# Allegro board C112P01-T2-ZDS-A03.brd (continued)
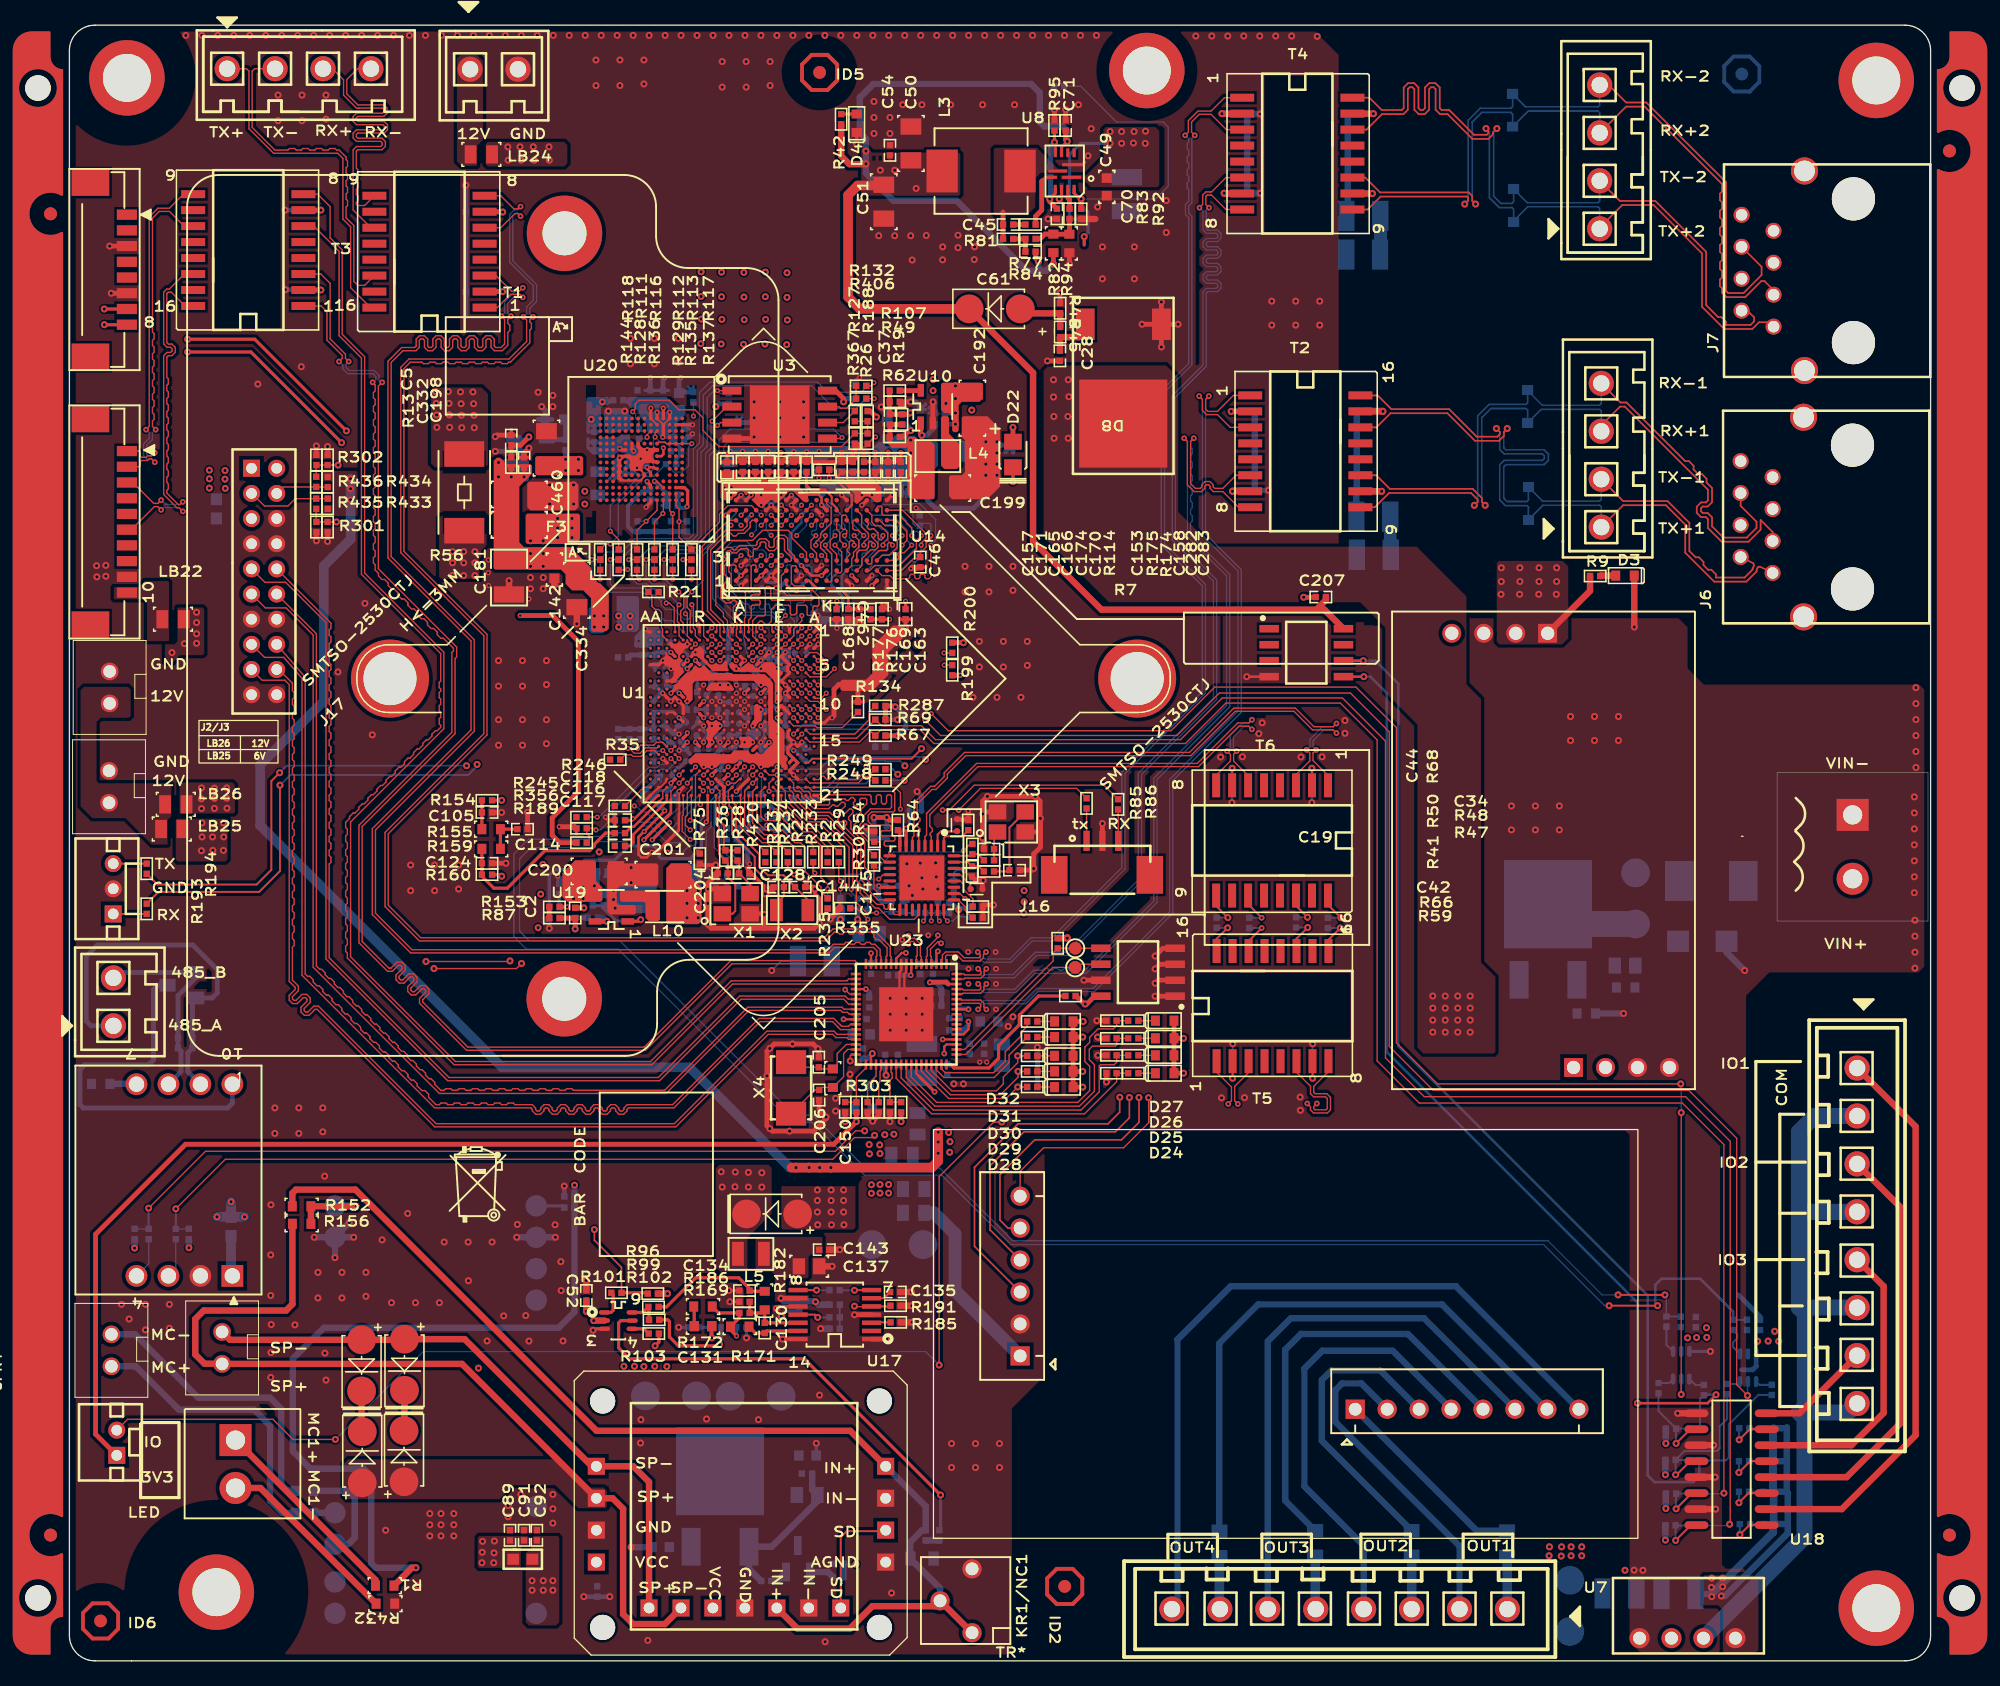
[diagram p0: board, top side]
## Routing (per net, layer and track width the routed paths; a pad name or vN(x,y) marks a point on that pad's centre or on a via; arc(x,y) is an arc through that point) (continued)
LINE_OUT-IPC: length 120.4
  TOP w0.254: v1(9.4,104.06) 14.43,104.06 v1(21.64,96.85) ; R160.2 34.24,62.51 v1(34.37,62.38) ; J12.8 v1(2.78,106.23) ; R103.1 46.86,25.35 v1(46.56,25.04)
  ART03 w0.254: v1(21.64,96.85) 23.21,95.29 23.21,86.78 19.75,83.33 19.75,75.07 22.97,71.85 26.99,71.85 33.6,65.23 33.6,63.14 v1(34.37,62.38) 34.26,62.38 30.2,58.31 30.2,46.51 38.1,38.61 38.1,28.17 41.22,25.04 v1(46.56,25.04) ; v1(2.78,106.23) 5.22,106.23 7.39,104.06 v1(9.4,104.06)
LINE_OUT_IN-PA: length 89.3
  TOP w0.508: R152.1 17.72,37.18 18.01,37.46 22.73,37.46 41.91,18.29 62.07,18.29 U13.4 ; KR1/NC1.1 KR1/NC1.2 68.78,4.34 63.83,4.34 62.05,2.57 57.87,2.57 J18.5
  BOTTOM w0.508: U13.4 68.07,12.29 C103.1 67.79,10.39 66.84,9.44 R158.1 69.22,5.77 KR1/NC1.2
LSADC_CH0/MUTE: length 84.6
  TOP w0.102: U17.5 63.75,28.16 62.41,28.16 62.41,28.2 v1(62.4,28.2) ; U1.P19 v3(51.07,69.78)
  TOP w0.152: R191.1 65.21,28.18 U17.5
  ART03 w0.127: v3(47.55,64.29) 47.1,63.84 46.62,63.84 45.26,62.48 39.83,62.48 33.65,56.31 33.65,46.51 41.25,38.91 41.25,32.28 42.34,31.19 51.13,31.19 51.54,31.6 51.54,33.3 52.04,33.81 61.58,33.81 61.77,33.62 61.77,28.79 62.41,28.16 62.41,28.2 v1(62.4,28.2)
  BOTTOM w0.102: v3(47.55,64.29) 47.65,64.19 48.67,64.19 49.3,64.82 49.63,64.82 49.86,65.05 49.86,66.5 50.74,67.37 50.74,69.35 51.07,69.69 v3(51.07,69.78)
LSADC_CH1: length 64.6
  TOP w0.102: U1.P18 50.42,70.43 v3(50.42,70.43)
  TOP w0.127: R101.2 43.89,31.28 41.73,33.44 v1(41.73,34.29)
  TOP w0.254: R99.1 45.91,29.26 R101.2
  ART03 w0.127: v1(41.73,34.29) 41.73,40.36 34.32,47.78 34.32,56.36 40.06,62.1 43.28,62.1 44.02,61.37 45.29,61.37 47.96,64.03 47.96,64.8 47.26,65.49 47.26,66 45.29,67.97 v3(44.91,67.97)
  BOTTOM w0.102: v3(50.42,70.43) 49.67,70.43 49.5,70.27 49.5,68.91 47.61,67.02 46.32,67.02 45.85,67.49 45.54,67.49 45.06,67.97 v3(44.91,67.97)
MDC: length 14.4
  TOP w0.102: U24.6 80.2,55.38 MDC1.1 78.17,55.14 71.25,48.21 U23.52
MDCK/BOOT_SEL0: length 9.8
  TOP w0.102: U6.22 v3(68.52,58.84) ; R355.1 62.59,59.84 v3(63.47,58.95)
  ART03 w0.102: v3(68.52,58.84) 67.84,59.51 64.92,59.51 64.36,58.95 v3(63.47,58.95)
  BOTTOM w0.102: R33.2 R206.2 v3(63.47,58.95)
MDI0+: length 47.6
  TOP w0.102: 67.52,64.93 67.51,64.94 67.51,64.94 ; 67.52,64.93 67.52,65.45 67.39,65.57 67.39,65.75 67.61,65.97 67.61,66.15 67.39,66.37 67.39,66.56 67.61,66.78 67.61,66.97 67.39,67.19 67.39,68.11 68.57,69.28 68.88,69.28 69.79,70.19 69.79,70.5 71.26,71.97 89.14,71.97 92.67,75.49 97.35,75.49 98.82,74.02 100.47,74.02 v2(100.73,73.77) ; 67.52,64.93 U6.5 ; v2(99.11,72.43) 98.86,72.18 98.86,71.59 100.05,70.39 T6.1
  BOTTOM w0.102: v2(99.11,72.43) 98.87,72.68 98.87,73.17 99.72,74.02 100.47,74.02 v2(100.73,73.77)
MDI0-: length 48
  TOP w0.102: T6.3 97.51,70.46 98.6,71.55 98.6,72.18 v2(98.35,72.43) ; 67.02,64.93 67.02,65.47 67.14,65.59 67.14,68.21 68.46,69.53 68.78,69.53 69.54,70.29 69.54,70.61 71.15,72.22 89.04,72.22 92.56,75.75 97.45,75.75 98.93,74.27 100.47,74.27 v2(100.73,74.53) ; 67.02,64.93 U6.6 ; 67.02,64.93 67.01,64.94 67.01,64.94
  BOTTOM w0.102: v2(100.73,74.53) 100.47,74.27 99.62,74.27 98.61,73.27 98.61,72.7 v2(98.35,72.43)
MDI1+: length 37.8
  TOP w0.102: T6.6 93.7,70.39 92.55,71.54 92.55,72.09 v2(92.79,72.33) ; U6.3 68.52,65.54 68.43,65.63 68.43,65.78 68.61,65.96 68.61,66.16 68.39,66.37 68.39,67.27 72.22,71.09 89.76,71.09 92.97,74.31 93.75,74.31 v2(94,74.06)
  BOTTOM w0.102: v2(94,74.06) 93.75,74.31 93.38,74.31 92.54,73.46 92.54,72.59 v2(92.79,72.33)
MDI1-: length 38.5
  TOP w0.102: v2(94,74.82) 93.75,74.57 92.87,74.57 89.65,71.35 72.11,71.35 68.14,67.38 68.14,65.66 68.01,65.53 68.01,64.81 U6.4 ; v2(92.03,72.33) 92.29,72.07 92.29,71.54 91.16,70.4 T6.8
  BOTTOM w0.102: v2(94,74.82) 93.75,74.57 93.28,74.57 92.28,73.57 92.28,72.59 v2(92.03,72.33)
MDIO: length 15.2
  TOP w0.102: U23.53 71.17,48.61 78.21,55.65 78.21,56.29 R296.2 78.57,56.65 MDIO1.1 U24.5
MDIO_621761: length 21
  TOP w0.102: U6.23 69.02,58.97 v3(69.16,58.83) ; v3(61.29,61.37) 61.67,61.75 61.67,64.57 59.8,66.44 58.58,66.44 56.59,68.42 56.59,68.81 U1.E21
  ART03 w0.102: v3(61.29,61.37) 62.38,60.27 67.72,60.27 v3(69.16,58.83)
  BOTTOM w0.102: R51.2 v3(61.29,61.37)
PA_SD: length 9.4
  TOP w0.152: J18.7 61.32,9.83 61.8,10.31 64.81,10.31 U13.2
PRX+1: length 55.6
  TOP w0.129: J6.3 135.4,89.75 134.44,90.7 134.44,89.94 133.48,88.98 131.34,88.98 130.25,90.07 130.25,90.78 130.1,90.93 129.71,90.93 129.36,91.27 129.36,91.76 129.71,92.1 130.1,92.1 130.25,92.26 130.25,93.12 123.65,99.72 123.27,99.72 121.77,98.23 J23.3 ; v1(112.55,91.87) 112.28,92.14 112.28,92.46 111.56,93.18 104.97,93.18 103.89,94.26 T2.11
  BOTTOM w0.129: v1(112.55,91.87) 112.28,92.14 112.28,98.85 113,99.57 115.8,99.57 115.93,99.44 D15.1 117,99.5 121.65,99.5 121.77,99.37 J23.3
PRX+2: length 59.4
  TOP w0.129: v1(111.78,115.82) 111.52,116.09 111.52,116.47 111.24,116.75 104.19,116.75 103.01,117.93 T4.11 ; J7.3 135.47,108.98 ; 135.47,108.98 135.47,109.08 ; 135.47,108.98 134.75,109.7 134.5,109.7 133.22,108.42 131.72,108.42 131.37,108.78 131.37,109.14 131.2,109.3 131.2,109.82 131.37,109.98 131.37,110.5 131.2,110.67 131.2,111.19 131.37,111.35 131.37,111.87 131.2,112.03 131.2,112.55 131.37,112.72 131.37,113.23 131.2,113.4 131.2,113.92 131.37,114.08 131.37,114.6 131.2,114.77 131.2,115.28 131.37,115.45 131.37,115.97 131.2,116.13 131.2,116.65 131.37,116.81 131.37,117.42 125.22,123.57 123.75,123.57 121.66,121.48 J25.3
  BOTTOM w0.129: v1(111.78,115.82) 111.52,116.09 111.52,122.34 112.29,123.12 114.59,123.12 114.72,122.99 D14.1 115.97,123.22 121.52,123.22 121.65,123.09 J25.3
PRX+4: length 28.1
  TOP w0.102: T1.11 23.96,113.94 22.56,115.35 22.56,120.13 22.82,120.4 24.75,120.4 24.87,120.52 24.87,120.69 24.75,120.81 22.82,120.81 22.56,121.08 22.56,121.46 22.82,121.73 24.93,121.73 25.03,121.83 25.03,122.03 24.93,122.13 22.82,122.13 22.56,122.4 22.56,122.78 22.82,123.05 24.89,123.05 24.99,123.15 24.99,123.35 24.89,123.46 23.03,123.46 22.82,123.46 21.79,124.49 21.79,125.7 20.91,126.59 J26.3
PRX+5: length 27.4
  TOP w0.102: T3.11 9.12,114.07 7.95,115.24 7.14,115.24 6.6,114.7 6.6,105.65 6.73,105.52 6.73,105.12 6.6,104.99 6.6,104.58 6.73,104.45 6.73,104.05 6.6,103.92 6.6,103.51 6.73,103.39 6.73,102.98 6.6,102.85 6.6,102.44 6.73,102.32 6.73,101.91 6.6,101.78 6.6,101.37 6.73,101.25 6.73,100.84 6.6,100.71 6.6,100.3 6.73,100.18 6.73,99.77 6.6,99.64 6.6,99.24 6.73,99.11 6.73,98.7 6.6,98.57 6.6,98.15 v2(6.86,97.89) ; v2(6.79,96.06) 6.53,95.81 6.22,95.81 6.1,95.69 5.72,95.69 5.62,95.79 5.62,96.08 5.52,96.19 J13.1
  BOTTOM w0.102: v2(6.79,96.06) 6.53,95.81 6.25,95.81 6.15,95.91 6.15,96.64 6.6,97.1 6.6,97.64 v2(6.86,97.89)
PRX-1: length 55.6
  TOP w0.129: v1(111.68,91.87) 111.95,92.14 111.95,92.32 111.42,92.85 104.9,92.85 103.77,91.72 T2.9 ; J6.6 132.86,91.83 134.11,90.57 134.11,90.08 133.34,89.31 131.48,89.31 130.58,90.2 130.58,90.91 130.24,91.26 129.84,91.26 129.69,91.41 129.69,91.62 129.84,91.78 130.24,91.78 130.58,92.12 130.58,93.25 130.14,93.69 130.14,93.99 129.78,94.35 129.48,94.35 129.11,94.72 129.11,95.02 128.75,95.38 128.45,95.38 123.78,100.05 123.29,100.05 J23.4
  BOTTOM w0.129: 115.93,100.99 117.09,99.83 121.65,99.83 121.77,99.96 J23.4 ; 115.93,100.99 D15.2 ; 115.93,100.99 115.93,100.03 115.8,99.9 112.86,99.9 111.95,98.98 111.95,92.14 v1(111.68,91.87)
PRX-2: length 59.3
  TOP w0.129: J25.4 122.36,125.29 123.75,123.9 125.36,123.9 131.7,117.56 131.7,108.91 131.86,108.75 133.08,108.75 134.52,110.19 134.52,110.84 J7.6 ; v1(110.92,115.82) 111.15,116.06 111.15,116.07 111.19,116.11 111.19,116.34 111.1,116.42 104.23,116.42 103.2,115.39 T4.9
  BOTTOM w0.129: v1(110.92,115.82) 111.19,116.09 111.19,122.48 112.15,123.44 114.59,123.44 114.72,123.57 D14.2 115.76,123.55 121.52,123.55 121.65,123.68 J25.4
PRX-4: length 27.7
  TOP w0.102: T1.9 23.47,115.71 22.91,115.71 22.81,115.81 22.81,115.96 22.92,116.07 22.92,116.48 22.81,116.59 22.81,117 22.92,117.11 22.92,117.52 22.81,117.64 22.81,118.04 22.92,118.16 22.92,118.57 22.81,118.68 22.81,120.03 22.93,120.15 24.85,120.15 25.12,120.41 25.12,120.79 24.85,121.06 22.93,121.06 22.81,121.18 22.81,121.35 22.93,121.47 25.04,121.47 25.29,121.72 25.29,122.14 25.04,122.39 22.93,122.39 22.81,122.51 22.81,122.67 22.93,122.79 25,122.79 25.25,123.04 25.25,123.46 25,123.71 22.93,123.71 22.05,124.59 22.05,125.72 22.91,126.59 J26.4
PRX-5: length 27.5
  TOP w0.102: v2(6.79,95.3) 6.53,95.55 6.33,95.55 6.21,95.43 5.72,95.43 5.62,95.33 5.62,95.04 5.52,94.94 J13.2 ; v2(6.1,97.89) 6.35,98.15 6.35,114.81 7.04,115.49 7.95,115.49 9.07,116.61 T3.9
  BOTTOM w0.102: v2(6.79,95.3) 6.53,95.55 6.15,95.55 5.89,95.81 5.89,96.75 6.35,97.21 6.35,97.64 v2(6.1,97.89)
PTX+1: length 55.7
  TOP w0.129: J6.1 134.39,87 134.21,86.94 134.13,86.78 134.13,86.63 133.31,85.8 130.75,85.8 128.45,88.1 128.45,90.34 126.91,91.88 123.52,91.88 J23.1 ; T2.16 104,100.61 105.09,99.52 109.68,99.52 111.87,97.33 113.51,97.33 113.71,97.53 113.71,97.71 v1(113.44,97.98)
  BOTTOM w0.129: D17.1 115.99,90.72 ; 115.99,90.72 115.99,91.72 115.86,91.85 114.15,91.85 113.71,92.29 113.71,95.1 114.05,95.44 117.1,95.44 117.25,95.59 117.25,95.81 117.1,95.96 114.05,95.96 113.71,96.3 113.71,97.71 v1(113.44,97.98) ; 115.99,90.72 117.14,91.88 121.65,91.88 121.77,91.75 J23.1
PTX+2: length 59.4
  TOP w0.129: T4.16 103.34,124.28 104.32,123.3 105.92,123.3 106.07,123.46 106.07,125.09 106.41,125.44 106.9,125.44 107.24,125.09 107.24,123.46 107.39,123.3 107.61,123.3 107.76,123.46 107.76,125.09 108.1,125.44 108.59,125.44 108.93,125.09 108.93,123.46 109.09,123.3 109.69,123.3 111.66,121.33 112.67,121.33 112.8,121.46 112.8,121.65 v1(112.61,121.83) ; J7.1 135.12,106.43 134.32,106.43 133.78,105.89 131.55,105.89 129.78,107.66 129.78,111.9 125.93,115.75 123.44,115.75 121.65,113.95 J25.1
  BOTTOM w0.129: D16.1 114.81,114.5 ; 114.81,114.5 114.81,115.42 114.68,115.55 113.66,115.55 112.88,116.33 112.88,121.56 v1(112.61,121.83) ; 114.81,114.5 115.91,115.6 121.52,115.6 121.65,115.47 J25.1
PTX+4: length 27.9
  TOP w0.102: T1.16 23.94,107.59 22.36,109.18 22.36,114.01 21.74,114.63 21.74,119.45 21.33,119.86 16.23,119.86 14.27,121.82 14.27,126.39 14.08,126.59 J26.1
PTX+5: length 27.4
  TOP w0.102: J13.3 5.04,93.69 6.71,92.02 7.04,92.02 v2(7.29,92.28) ; v2(9.02,92.15) 8.8,91.93 8.66,91.93 7.75,92.84 7.75,93.06 7.86,93.18 7.86,93.58 7.75,93.7 7.75,94.11 7.86,94.22 7.86,94.63 7.75,94.74 7.75,95.15 7.86,95.26 7.86,95.67 7.75,95.79 7.75,96.19 7.86,96.31 7.86,96.72 7.75,96.83 7.75,97.24 7.86,97.35 7.86,97.76 7.75,97.87 7.75,98.28 7.86,98.4 7.86,98.8 7.75,98.92 7.75,99.33 7.86,99.44 7.86,99.85 7.75,99.96 7.75,100.37 7.86,100.48 7.86,100.89 7.75,101.01 7.75,101.41 7.86,101.53 7.86,101.94 7.75,102.05 7.75,103.66 7.87,103.77 8.15,103.77 8.42,104.04 8.42,104.42 8.15,104.69 7.87,104.69 7.75,104.81 7.75,108.71 7.85,108.82 8.1,108.82 9.19,107.72 T3.16
  BOTTOM w0.102: v2(9.02,92.15) 8.82,91.95 7.62,91.95 v2(7.29,92.28)
PTX-1: length 55.6
  TOP w0.129: J23.2 123.52,92.21 127.05,92.21 128.78,90.47 128.78,88.24 129.28,87.74 129.53,87.74 129.9,87.37 129.9,87.12 130.27,86.75 130.52,86.75 130.89,86.39 130.89,86.13 133.17,86.13 133.8,86.76 133.8,86.85 133.92,87.09 133.86,87.26 J6.2 ; v1(114.3,97.98) 114.03,97.71 114.03,97.39 113.64,97 111.73,97 109.55,99.19 105.02,99.19 103.9,98.07 T2.14
  BOTTOM w0.129: v1(114.3,97.98) 114.03,97.71 114.03,96.44 114.18,96.28 117.23,96.28 117.58,95.94 117.58,95.46 117.23,95.11 114.18,95.11 114.03,94.96 114.03,92.43 114.29,92.18 115.86,92.18 115.99,92.3 D17.2 117.1,92.21 121.65,92.21 121.77,92.34 J23.2
PTX-2: length 59.3
  TOP w0.129: J25.2 123.24,116.08 126.07,116.08 130.11,112.04 130.11,107.79 131.07,106.83 131.32,106.83 131.68,106.47 131.68,106.22 133.65,106.22 133.93,106.51 133.92,106.52 133.92,106.82 133.39,107.35 J7.2 ; v1(113.48,121.83) 113.16,121.51 113.16,121.36 112.8,121.01 111.53,121.01 109.55,122.98 108.95,122.98 108.61,123.32 108.61,124.96 108.45,125.11 108.24,125.11 108.09,124.96 108.09,123.32 107.74,122.98 107.26,122.98 106.91,123.32 106.91,124.96 106.76,125.11 106.55,125.11 106.4,124.96 106.4,123.32 106.05,122.98 104.35,122.98 103.11,121.74 T4.14
  BOTTOM w0.129: J25.2 121.65,116.06 121.52,115.93 115.9,115.93 D16.2 114.81,116 114.68,115.87 113.8,115.87 113.21,116.46 113.21,121.56 v1(113.48,121.83)
PTX-4: length 27.8
  TOP w0.102: T1.14 23.47,109.36 22.94,109.36 22.61,109.69 22.61,114.12 22,114.73 22,115.58 22.11,115.7 22.11,116.11 22,116.22 22,116.63 22.11,116.74 22.11,117.15 22,117.26 22,117.67 22.11,117.79 22.11,118.19 22,118.31 22,118.72 22.11,118.83 22.11,119.24 22,119.35 22,119.56 21.44,120.12 21.24,120.12 21.11,120.24 20.7,120.24 20.58,120.12 20.17,120.12 20.04,120.24 19.64,120.24 19.51,120.12 19.1,120.12 18.97,120.24 18.57,120.24 18.44,120.12 18.03,120.12 17.9,120.24 17.5,120.24 17.37,120.12 16.34,120.12 14.53,121.92 14.53,126.39 14.72,126.59 J26.2
PTX-5: length 27.5
  TOP w0.102: v2(7.29,91.52) 7.04,91.77 6.76,91.77 4.92,89.94 J13.6 ; v2(9.02,91.39) 8.74,91.68 8.55,91.68 7.49,92.74 7.49,103.76 7.76,104.03 8.05,104.03 8.17,104.15 8.17,104.32 8.05,104.44 7.76,104.44 7.49,104.7 7.49,108.82 7.74,109.07 7.95,109.07 9.14,110.26 T3.14
  BOTTOM w0.102: v2(9.02,91.39) 8.72,91.69 7.47,91.69 v2(7.29,91.52)
PTX-6: length 84.3
  TOP w0.102: R436.2 19.62,95.06 R302.1 R272.2 v1(21.36,95.07) ; v1(35.03,55.65) 34.98,55.6 v1(28.35,55.6) ; v2(61.67,53.37) 62.03,53.01 U23.22
  ART03 w0.102: v2(61.67,53.37) 56.18,53.37 52.17,57.38 36.75,57.38 v1(35.03,55.65) ; v1(28.35,55.6) 19.13,64.82 19.13,83.72 22.18,86.77 22.18,90.83 21.36,91.64 v1(21.36,95.07)
PTX-7: length 85.4
  TOP w0.102: R435.2 19.62,90.55 R301.1 R270.2 v1(21.23,90.55) ; U23.34 62.17,48.21 62.07,48.11 v1(62.07,47.69) ; v1(35.94,55.45) 35.53,55.04 v1(28.98,55.04)
  ART03 w0.102: v1(21.23,90.55) 21.77,90.02 21.77,87.07 18.57,83.87 18.57,64.21 27.74,55.04 v1(28.98,55.04) ; v1(62.07,47.69) 60.99,48.78 60.99,52.4 60.6,52.78 55.91,52.78 51.87,56.82 37.31,56.82 v1(35.94,55.45)
PWM0: length 130.7
  TOP w0.102: v3(50.16,68.07) 50.09,68.14 U1.R21
  TOP w0.152: v1(123.11,29.1) v1(126.83,29.1)
  BOTTOM w0.102: v1(126.83,29.1) 126.95,28.98 R10.2 ; v1(123.11,29.1) 121.84,29.1 117.54,33.4 74.98,33.4 69.2,39.18 63.28,39.18 59.08,43.38 57.62,43.38 43.73,57.28 36.53,57.28 35.79,58.01 35.79,63.77 36.69,64.67 41.58,64.67 42.05,65.14 44.28,65.14 45.52,66.37 46.18,66.37 47.5,65.05 48.64,65.05 48.95,65.35 48.95,67.11 49.91,68.07 v3(50.16,68.07)
  BOTTOM w0.152: R10.2 128.07,27.38 R430.1
PWM1: length 138.9
  TOP w0.102: U1.R20 50.38,69.18 v3(50.38,69.18)
  TOP w0.152: v1(126.25,28.24) v1(122.4,28.24)
  BOTTOM w0.102: v1(122.4,28.24) 122.04,28.24 117.18,33.1 74.85,33.1 69.33,38.62 63.21,38.62 59,42.83 57.39,42.83 43.64,56.58 36.33,56.58 35.33,57.58 35.33,64.16 36.5,65.33 41.21,65.33 41.43,65.54 43.27,65.54 43.56,65.84 44.35,65.84 45.19,66.67 46.52,66.67 47.05,66.14 47.84,66.14 48.51,66.81 48.51,67.3 50.38,69.16 v3(50.38,69.18)
  BOTTOM w0.152: R16.2 R15.1
  BOTTOM w0.203: R16.2 132.25,27.77 129.64,30.38 126.56,30.38 126.08,29.9 126.08,28.41 v1(126.25,28.24)
PWR_BUTTON: length 6.9
  TOP w0.102: v3(53.02,70.43) 53.01,70.42 U1.L19
  ART03 w0.102: v3(55.45,67.21) 54.31,67.21 53.42,68.1 53.42,70.04 v3(53.02,70.43)
  BOTTOM w0.102: 55.45,67.08 55.32,66.95 R89.2 ; 55.45,67.08 v3(55.45,67.21) ; 55.45,67.08 55.58,66.95 R25.1
PWR_EN: length 9.5
  TOP w0.102: v3(52.37,69.78) 52.94,69.78 53.27,70.11 U1.K19
  BOTTOM w0.102: R422.1 50.62,63.17 50.62,65.94 51,66.32 51,68.4 52.37,69.77 v3(52.37,69.78)
PWR_RSTN: length 6.8
  TOP w0.102: U1.M18 v3(52.37,71.08)
  ART03 w0.102: v3(52.25,67.34) 51.64,67.94 51.64,68.48 51.89,68.73 51.89,70.61 v3(52.37,71.08)
  BOTTOM w0.102: v3(52.25,67.34) R143.2 C188.2
PWR_SEQ0: length 10.2
  TOP w0.102: U1.H19 54.33,69.8 v3(54.32,69.78)
  BOTTOM w0.102: R423.1 54.05,62.74 51.82,64.97 51.82,67.51 52.08,67.77 52.71,67.77 53.7,68.76 53.7,69.27 54.21,69.78 v3(54.32,69.78)
PWR_SEQ1: length 11.6
  TOP w0.102: v3(54.32,71.08) 54.31,71.07 U1.J18
  BOTTOM w0.102: v3(54.32,71.08) 53.92,70.69 53.92,70.13 53.42,69.62 53.42,68.99 53.16,68.73 52.02,68.73 51.56,68.28 51.56,64.8 53.16,63.2 R424.1
PWR_STARTUP: length 5.3
  TOP w0.102: R420.1 53.34,66.29 U1.K21
PWR_WAKEUP: length 10.7
  TOP w0.102: v3(53.67,71.08) 53.66,71.07 U1.K18
  BOTTOM w0.102: R421.1 52.27,63.65 51.26,64.67 51.26,68.35 51.94,69.04 52.2,69.04 53.54,70.38 53.54,70.96 v3(53.67,71.08)
REG_OUT: length 8.6
  TOP w0.178: v2(69.42,49.41) U23.55 ; U23.66 69.86,53.81 ; U23.21 v2(63.32,53.41)
  TOP w0.381: v2(68.4,53.94) 68.41,53.94 68.44,53.96 69.71,53.96 69.86,53.81
  ART03 w0.381: v2(68.4,53.94) 67.2,53.94
  BOTTOM w0.381: C175.1 C187.1 69.32,53.49 68.88,53.92 68.41,53.92 v2(68.4,53.94) ; v2(63.32,53.41) 63.58,53.15 C184.1
RELAY+1: length 16.1
  BOTTOM w0.508: J35.1 111.87,10.35 R201.2
RELAY+2: length 24.2
  BOTTOM w0.508: J35.3 104.22,23.08 100.32,23.08 99.55,22.32 99.55,17.51 R98.2
RELAY+3: length 34.1
  BOTTOM w0.508: R202.2 96.65,12.75 96.65,24.74 97.9,25.99 106.39,25.99 J35.5
RELAY+4: length 45.7
  BOTTOM w0.508: R90.2 91.41,25.24 94.5,28.33 109.13,28.33 J35.7
RELAY-1: length 26.7
  BOTTOM w0.508: J35.2 102.71,22.05 101.15,22.05 100.64,21.54 100.64,19.01 110.51,9.14 J8.2
RELAY-2: length 35.2
  BOTTOM w0.508: J8.4 102.89,9.17 98.18,13.88 98.18,23.24 99.6,24.66 105.18,24.66 J35.4
RELAY-3: length 44.7
  BOTTOM w0.508: J35.6 107.68,27.24 97.11,27.24 95.27,25.4 J8.6
RELAY-4: length 59.3
  BOTTOM w0.508: J8.8 88.09,4.56 88.09,25.55 92.32,29.79 110.21,29.79 J35.8
RESET: length 4.2
  TOP w0.102: 63.32,47.41 63.32,47.14 62.56,46.38 R281.2 C150.2
RMII_CLK: length 3.3
  TOP w0.102: U6.15 64.34,61.01 63.96,61.39 R30.2
RMII_RX_DV: length 18.6
  TOP w0.102: v3(66.07,67.72) 66.07,69.03 65.63,69.46 U1.A20 ; v3(71.2,60.6) 70.8,61.01 U6.26
  ART03 w0.102: v3(71.2,60.6) 70.18,61.62 70.18,63.34 66.07,67.46 v3(66.07,67.72)
RMII_RXD0: length 18.8
  TOP w0.102: U1.B20 58.76,69.46 59.09,69.13 65.51,69.13 65.61,69.03 65.61,67.6 65.51,67.5 63.77,67.5 63.5,67.22 63.5,66.74 63.79,66.45 65.22,66.45 65.32,66.34 65.32,66.1 65.22,66 64.61,66 64.49,65.88 64.49,65.71 64.61,65.59 65.53,65.59 65.63,65.49 65.63,65.29 65.53,65.18 64.87,65.18 64.77,65.08 64.77,64.88 64.87,64.78 65.27,64.78 65.37,64.68 65.37,64.53 65.15,64.31 65.15,64.2 65.22,64.13 U6.9
RMII_RXD1: length 19.6
  TOP w0.102: U1.C20 58.05,69.46 58.39,69.12 58.74,69.12 58.9,68.95 58.9,68.69 59.25,68.34 59.96,68.34 60.15,68.53 60.15,68.76 60.25,68.86 63.62,68.86 63.74,68.74 63.74,68.24 63.86,68.12 64.04,68.12 64.14,68.22 64.14,68.74 64.26,68.86 64.43,68.86 64.55,68.74 64.55,68.24 64.67,68.12 64.84,68.12 64.96,68.24 64.96,68.74 65.08,68.86 65.25,68.86 65.35,68.76 65.35,67.87 65.23,67.74 63.68,67.74 63.08,67.14 63.08,66.73 62.84,66.48 62.84,66.12 63.83,65.13 R54.1 64.34,65.13 64.47,65 64.47,63.91 64.87,63.51 U6.10
RMII_TX_EN: length 17.6
  TOP w0.102: U6.20 67.52,59.31 67.16,58.95 65.23,58.95 64.34,59.84 64.06,59.84 62.87,61.04 62.87,61.72 62.59,62 62.59,64.92 60.3,67.21 58.98,67.21 57.57,68.62 57.57,68.95 57.24,69.27 57.24,69.46 U1.D20
RMII_TXD0: length 17.4
  TOP w0.102: U6.16 64.28,60.51 63.63,61.16 63.63,61.89 63.42,62.1 63.42,62.27 63.63,62.48 63.63,62.69 63.22,63.09 63.22,65.05 62.13,66.14 62.13,66.73 61.94,66.91 61.94,67.08 62.28,67.42 62.28,67.62 62.16,67.73 62.02,67.73 61.65,67.37 61.48,67.37 61.37,67.49 61.37,67.66 61.68,67.97 61.68,68.14 61.56,68.26 61.39,68.26 61.08,67.95 60.91,67.95 60.8,68.05 60.66,68.05 60.37,67.76 59.18,67.76 58.22,68.72 58.22,68.94 58.02,69.14 57.76,69.14 57.57,69.33 57.57,69.78 U1.D19
RMII_TXD1: length 16.6
  TOP w0.102: U1.C21 57.89,68.81 57.89,68.81 57.89,68.66 59.09,67.46 60.45,67.46 60.64,67.28 60.81,67.28 60.92,67.39 61.09,67.39 61.2,67.27 61.2,67.1 61.09,66.99 61.09,66.82 61.21,66.7 61.38,66.7 61.49,66.81 61.66,66.81 61.78,66.69 61.78,66.52 61.67,66.41 61.67,66.25 62.92,65 62.92,62.13 63.17,61.87 63.17,61.16 64.19,60.15 64.66,60.15 64.76,60.05 64.76,59.86 64.86,59.76 65.01,59.76 65.11,59.86 65.11,60.07 65.23,60.19 65.38,60.19 65.48,60.09 65.48,59.46 65.61,59.33 65.92,59.33 66.02,59.44 U6.17 66.02,59.83
RS485_2_A_D+: length 30.3
  BOTTOM w0.381: J19.9 9.41,46.85 9.41,48.35 R215.1 R215.2 9.78,52.4 D18.2 11.35,52.7 11.76,53.11 11.76,54.97 9.8,56.92 2.24,56.92 1.35,56.03 1.35,50.87 1.73,50.49 J20.1
RS485_2_B_D-: length 16.8
  BOTTOM w0.381: J20.2 3.94,54.74 D18.1 10.08,54.36 8.64,52.91 R214.2 R214.1 8.88,48.48 8.88,46.85 J19.8
RS_5V: length 2.1
  BOTTOM w0.508: J19.7 5.31,45.87 R216.2
RS_GND: length 29.7
  BOTTOM w0.381: D18.3 7.04,53.72 6.68,53.37 6.68,47.78 6.3,47.4 1.22,47.4 0.84,47.02 0.84,44.22 1.11,43.95 12.57,43.95 12.95,44.33 J19.10
RSVD_GMAC_FILTER: length 11
  TOP w0.102: U23.46 67.72,46.88 69.9,44.71 74.47,44.71 v1(75.39,45.63) R276.1
  BOTTOM w0.102: R276.1 v1(75.39,45.63)
RTC_XIN: length 12.3
  TOP w0.102: 52.72,68.29 52.72,68.53 52.69,68.55 U1.L21
  TOP w0.152: X2.1 58.7,60.5 C145.1 57.68,61.54 56.77,62.46 55.52,62.46 54.84,63.14 54.84,64.13 52.98,65.99 52.98,68.02 52.72,68.29
RTC_XOUT: length 12.7
  TOP w0.102: U1.L20 52.37,69.14 52.37,68.5 52.44,68.44 52.44,67.99
  TOP w0.152: 52.44,67.99 52.68,67.75 52.68,65.73 54.48,63.92 54.48,62.99 55.37,62.1 56.62,62.1 56.79,61.93 C144.1 56.79,60.81 56.2,60.22 X2.2
RX+3: length 3.2
  TOP w0.152: T5.11 97.55,57.42 v1(98.44,58.31)
  BOTTOM w0.152: R131.1 v1(98.44,58.31)
RX-3: length 3.2
  TOP w0.152: v1(101.03,58.27) 100.09,57.33 T5.9
  BOTTOM w0.152: R130.1 v1(101.03,58.27)
RXIM1: length 71
  TOP w0.102: v2(88.62,97.21) 88.87,96.95 88.87,93.49 89.4,92.96 90,92.96 90.27,93.23 90.27,93.39 90.38,93.51 90.55,93.51 90.67,93.39 90.67,93.23 90.94,92.96 91.69,92.96 92.94,91.72 T2.8 ; v2(72.9,53.82) 72.69,53.62 72.69,53.33 72.44,53.08 71.04,53.08 70.97,53.01 U23.64
  BOTTOM w0.102: v2(72.9,53.82) 72.69,53.62 72.69,53.49 72.8,53.39 75.13,53.39 76.66,54.91 77.32,54.91 77.47,55.07 77.73,55.07 77.88,54.91 78.13,54.91 78.29,55.07 78.54,55.07 78.69,54.91 78.95,54.91 79.1,55.07 79.36,55.07 79.51,54.91 79.76,54.91 79.92,55.07 80.17,55.07 80.32,54.91 80.72,54.91 86.21,60.4 86.21,70.17 91.99,75.95 91.99,86.27 88.87,89.38 88.87,96.95 v2(88.62,97.21)
RXIM2: length 89.5
  TOP w0.102: v2(90.59,115.54) 90.34,115.79 90.34,116.43 90.44,116.54 90.7,116.54 90.71,116.53 90.81,116.53 91.94,115.39 T4.8 ; v2(72.24,55.02) 72.47,54.79 72.47,54.64 72.36,54.54 71.17,54.54 71.1,54.61 U23.68
  BOTTOM w0.102: v2(90.59,115.54) 90.37,115.32 90.37,113.87 90.49,113.75 91.27,113.75 91.54,113.48 91.54,113.1 91.27,112.84 90.49,112.84 90.37,112.72 90.37,112.55 90.49,112.43 91.27,112.43 91.54,112.16 91.54,111.78 91.27,111.51 90.49,111.51 90.37,111.39 90.37,111.22 90.49,111.1 91.27,111.1 91.54,110.84 91.54,110.46 91.27,110.19 90.49,110.19 90.37,110.07 90.37,109.9 90.49,109.78 91.27,109.78 91.54,109.51 91.54,109.13 91.27,108.87 90.49,108.87 90.37,108.75 90.37,102.92 87.92,100.47 87.92,89.22 91.2,85.94 91.2,76.44 85.23,70.47 85.23,61.99 79.32,56.08 76.89,56.08 75.11,54.31 72.69,54.31 72.44,54.56 72.44,54.82 v2(72.24,55.02)
RXIM3: length 62.4
  TOP w0.102: T5.8 100.09,46.85 98.92,45.68 98.92,45.2 99.02,45.1 99.96,45.1 100.25,44.8 100.25,43.81 100,43.56 98.91,43.56 98.66,43.81 98.66,44.06 v2(98.4,44.31) ; v2(66.69,57.66) 66.89,57.45 67.18,57.45 67.65,56.99 67.65,56.06 67.72,55.99 U23.6
  ART03 w0.102: v2(98.4,44.31) 98.66,44.06 98.66,39.9 98.02,39.26 92.2,39.26 92.09,39.37 91.68,39.37 91.57,39.26 91.16,39.26 91.05,39.37 90.64,39.37 90.53,39.26 90.13,39.26 90.01,39.37 89.61,39.37 89.49,39.26 89.09,39.26 88.97,39.37 88.57,39.37 88.45,39.26 73.64,39.26 72.19,40.71 72.19,45.85 70.54,47.5 70.54,49.58 69.34,50.77 69.34,55.35 67.24,57.45 66.89,57.45 v2(66.69,57.66)
RXIM4: length 119.2
  TOP w0.102: v2(36.09,106.86) 36.35,106.6 36.35,104.9 36.09,104.64 36.08,104.64 34.95,103.5 27,103.5 26.34,102.85 26.34,88.11 32.94,81.5 32.94,73.71 25.1,65.87 25.1,59.97 27.83,57.24 60.11,57.24 60.81,57.94 61.06,57.94 61.21,57.78 61.47,57.78 61.62,57.94 61.88,57.94 62.03,57.78 62.28,57.78 62.44,57.94 62.69,57.94 62.84,57.78 63.1,57.78 63.25,57.94 63.75,57.94 63.95,57.74 63.95,57.54 64.14,57.35 64.34,57.35 65,56.7 65,56.06 64.92,55.99 U23.13 ; T1.8 34.29,116.48 35.33,115.44 35.69,115.44 v2(35.86,115.62)
  BOTTOM w0.102: v2(36.09,106.86) 36.35,107.11 36.35,107.65 36.88,108.18 36.88,109.32 35,111.2 35,114.99 35.38,115.37 35.61,115.37 v2(35.86,115.62)
RXIM5: length 115.3
  TOP w0.102: T3.8 19.74,116.61 20.73,115.62 20.73,113.14 21.69,112.17 21.69,105.46 23.47,103.69 23.47,86.49 29.77,80.19 29.77,74.12 22.35,66.7 22.35,55.98 30.68,47.65 46.2,47.65 52.61,54.06 61.8,54.06 61.94,54.21 U23.19
RXIM6: length 83.4
  TOP w0.102: U23.24 61.94,52.21 61.74,52.41 61.74,52.43 61.57,52.6 53.39,52.6 46.92,46.13 30.07,46.13 20.4,55.8 20.4,82.54 17.19,85.75 15.55,85.75 U11.9
RXIM7: length 83.5
  TOP w0.102: U23.30 61.04,49.81 60.78,50.06 55.45,50.06 48.09,42.71 29.15,42.71 19.8,52.05 19.43,52.05 18.95,51.58 18.78,51.58 18.66,51.7 18.66,51.87 19.14,52.34 19.14,52.72 18.87,52.99 18.49,52.99 18.02,52.51 17.85,52.51 17.73,52.63 17.73,52.8 18.2,53.28 18.2,53.65 17.73,54.13 17.73,56.74 17.87,56.88 17.87,57.29 17.73,57.43 17.73,57.84 17.87,57.98 17.87,58.38 17.73,58.52 17.73,58.93 17.87,59.07 17.87,59.48 17.73,59.62 17.73,60.03 17.87,60.17 17.87,60.57 17.73,60.71 17.73,61.12 17.87,61.26 17.87,61.67 17.73,61.81 17.73,62.22 17.87,62.35 17.87,62.76 17.73,62.9 17.73,63.31 17.87,63.45 17.87,63.86 17.73,64 17.73,64.4 17.87,64.54 17.87,64.95 17.73,65.09 17.73,65.5 17.87,65.64 17.87,66.05 17.73,66.19 17.73,66.59 17.87,66.73 17.87,67.14 17.73,67.28 17.73,67.69 17.87,67.83 17.87,68.24 17.73,68.38 17.73,68.78 17.87,68.92 17.87,69.33 17.73,69.47 17.73,69.88 17.87,70.02 17.87,70.43 17.73,70.56 17.73,70.97 17.87,71.11 17.87,71.52 17.73,71.66 17.73,72.07 17.87,72.21 17.87,72.61 17.73,72.75 17.73,73.16 17.87,73.3 17.87,73.71 17.73,73.85 17.73,74.26 17.87,74.4 17.87,74.8 17.73,74.94 17.73,75.35 17.87,75.49 17.87,75.9 17.73,76.04 17.73,76.45 17.87,76.59 17.87,76.99 17.73,77.13 17.73,77.73 16.64,78.82 U11.18